# Altium PCB PCB-Tester-Relay-Board.PcbDoc (part 3 of 4) (continued)
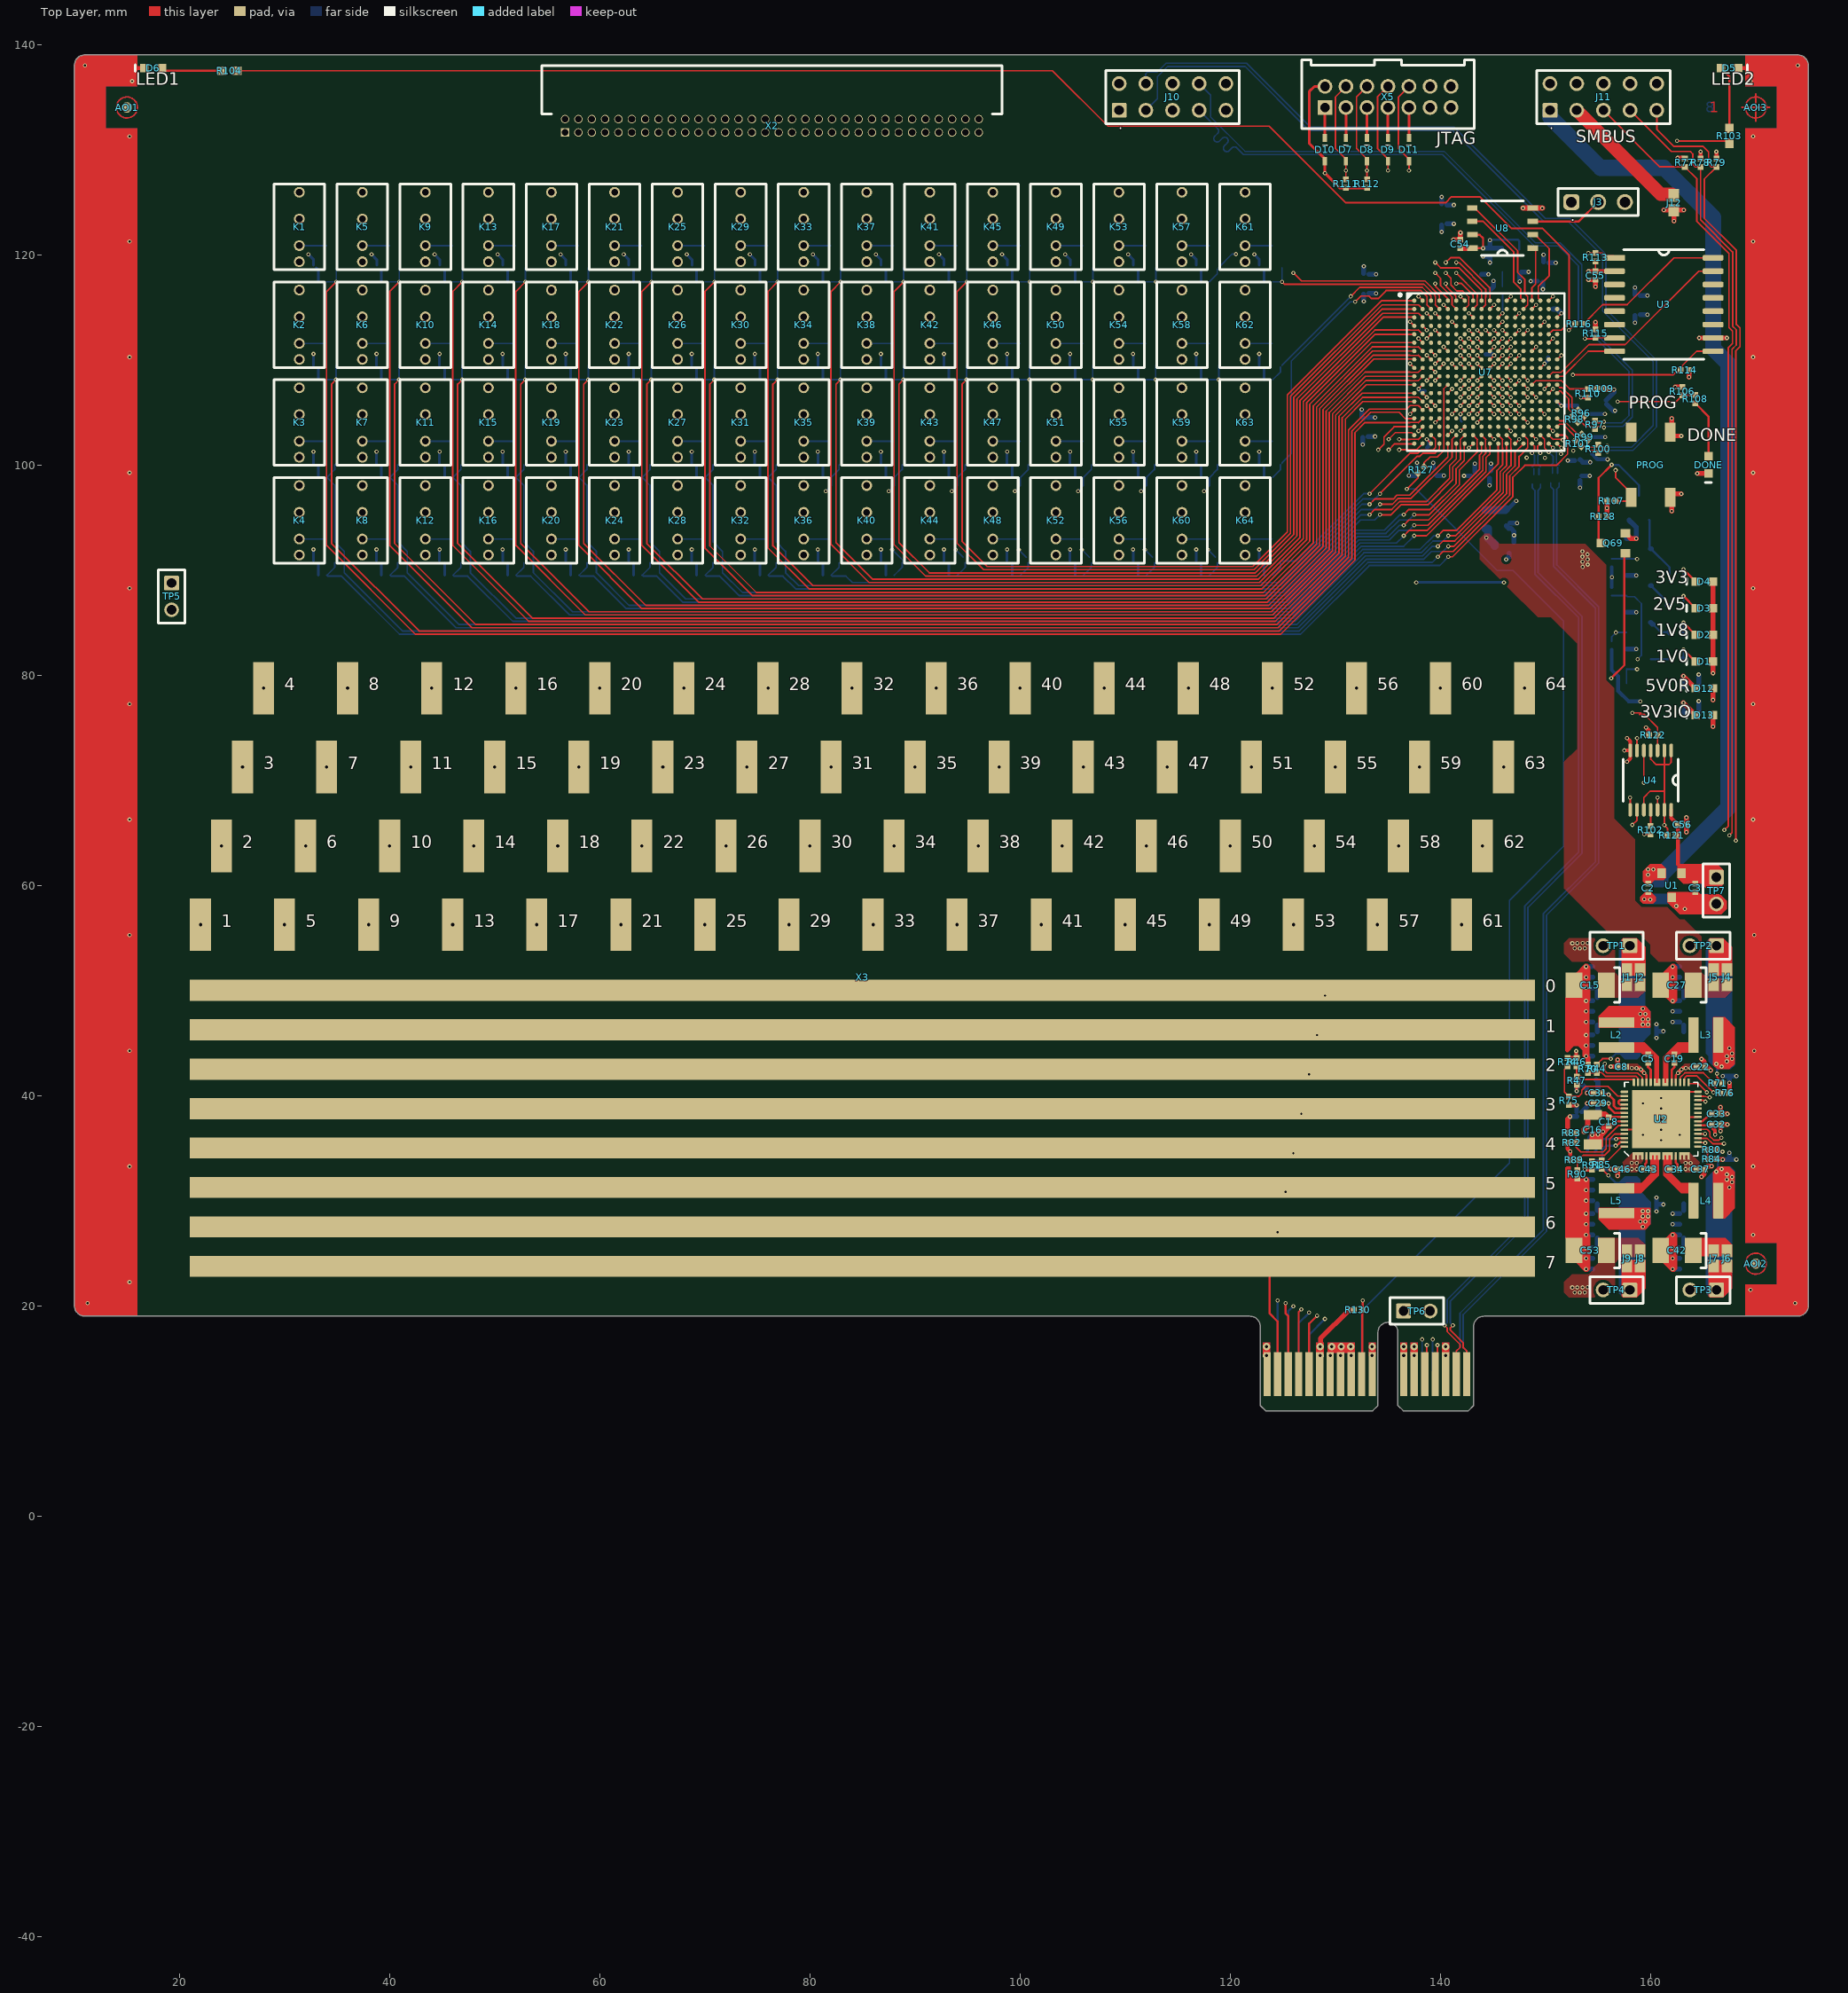
[diagram p0: Top Layer view]
## Nets (pads, with @x,y where several pads share a name; then routed paths per layer and width w, separated by ;. In a path a pad name is that pad's centre, name@x,y a point inside that pad or via, vN(x,y) a via of type N, cw(c..) or ccw(c..) an arc to the next point about the centre after c; other vN are vias at no path point) (continued)
  Bottom Layer w0.381: v1@137.907,107.225 138.122,107.01 C461.2@138.517,107.01 ; 138.701,101.63 138.917,101.846 C460.2@138.917,102.241 ; v1(149.9,109.621) 150.215,109.936 C448.2@150.215,110.236 ; C442.2@151,106.121 v1(151.5,105.621) 153.026,105.621 ; 154.12,104.828 v1(155.646,104.828) ; 154.159,102.65 v1(155.685,102.65) ; 154.394,101.056 154.929,100.521 v1(155.9,100.521)
  Bottom Layer w0.457: v2(128.55,16.1) 128.578,16.128 128.578,16.878 131.3,19.6 R129.1@131.8,19.6 ; v1(132.5,105.25) 132.5,104.602 C456.2@132.704,104.398 ; v1(132.7,115.557) C463.2@132.7,116.221 ; C456.2@133.104,104.498 v1(133.768,104.498) ; C463.2@133.2,116.321 v1(133.863,116.321) ; v1(136.99,98.973) C310.2@137.654,98.973 ; C310.2@137.764,99.582 v1(137.764,100.186) ; C451.2@140.1,124.821 v1(140.1,125.484) ; C451.2@140.6,124.721 v1(141.263,124.721) ; v1(142.24,98.948) C436.2@142.904,98.948 ; C436.2@143.262,99.308 v1(143.262,100.107) ; C453.2@143.9,118.121 v1(144.563,118.121) ; v1(144.053,119.804) C17.2@144.717,119.804 v1(144.717,119.24) ; C452.2@144.8,116.721 145.05,116.971 v1(145.05,117.483) ; v1(146.25,91) 146.505,91.255 C9.2@146.505,91.612 ; C10.2@146.25,94.2 146.496,93.954 146.696,93.954 146.997,93.653 v1(146.997,93.294) C9.2@146.997,92.63 ; C10.2@146.622,94.448 v1(147.286,94.448) ; v1(147.542,117.44) Y1.2@147.542,118.104 ; Y1.2@147.712,118.354 v1(148.375,118.354) ; C316.2@149.8,119.321 v1(149.8,119.984) ; C316.2@150.3,119.221 v1(150.963,119.221) ; v1(152.323,37.989) C28.2@152.973,37.989 ; v1(152.323,41.511) C30.2@152.973,41.511 ; C28.2@152.954,38.431 v1(152.954,39.081) ; v1(152.954,40.419) C30.2@152.954,41.069 ; C30.2@153.2,41.5 153.2,41.3 153.446,41.054 153.45,41.054 153.95,40.554 v1(153.95,40.25) ; v1(153.277,97.84) C318.2@153.277,98.504 ; C318.2@153.424,98.95 v1(154.208,98.95) ; C28.2@153.45,38.446 153.95,38.946 v1(153.95,39.25) ; v1(153.85,23.5) C52.2@154.5,23.5 ; v1(153.85,24.5) C52.2@154.5,24.5 ; v1(153.85,25.5) C52.2@154.5,25.5 ; v1(153.85,26.75) C51.2@154.5,26.75 ; v1(153.85,27.75) C51.2@154.5,27.75 ; v1(153.85,28.75) C51.2@154.5,28.75 ; v1(153.85,30) C50.2@154.5,30 ; v1(153.85,31) C50.2@154.5,31 ; v1(153.85,32) C50.2@154.5,32 ; v1(153.85,43.75) C14.2@154.5,43.75 ; v1(153.85,44.75) C14.2@154.5,44.75 ; v1(153.85,45.75) C14.2@154.5,45.75 ; v1(153.85,47) C13.2@154.5,47 ; v1(153.85,48) C13.2@154.5,48 ; v1(153.85,49) C13.2@154.5,49 ; v1(153.85,50.25) C12.2@154.5,50.25 ; v1(153.85,51.25) C12.2@154.5,51.25 ; v1(153.85,52.25) C12.2@154.5,52.25 ; C47.2@154.141,35.581 154.187,35.628 154.187,35.983 v1(154.437,36.234) ; 154.9,25.8 C51.2@154.9,26.45 ; 154.9,29.05 C50.2@154.9,29.7 ; 154.9,46.05 C13.2@154.9,46.7 ; 154.9,49.3 C12.2@154.9,49.95 ; C48.2@155.289,33.024 156.176,33.024 v1(156.2,33) ; v1(158.511,113.532) C444.2@158.511,114.196 ; C444.2@159.011,114.296 v1(159.674,114.296) ; v1(160.55,28.983) C49.2@160.55,29.633 ; v1(160.55,30.283) C49.2@160.55,29.633 ; v1(160.55,45.469) C11.2@160.55,46.119 ; v1(160.55,46.769) C11.2@160.55,46.119 ; v1(161.2,29.633) C49.2@160.55,29.633 ; v1(161.2,46.119) C11.2@160.55,46.119 ; v1(162.1,23.5) C39.2@162.75,23.5 ; v1(162.1,24.5) C39.2@162.75,24.5 ; v1(162.1,25.5) C39.2@162.75,25.5 ; v1(162.1,26.75) C40.2@162.75,26.75 ; v1(162.1,27.75) C40.2@162.75,27.75 ; v1(162.1,28.75) C40.2@162.75,28.75 ; v1(162.1,47) C25.2@162.75,47 ; v1(162.1,48) C25.2@162.75,48 ; v1(162.1,49) C25.2@162.75,49 ; v1(162.1,50.25) C26.2@162.75,50.25 ; v1(162.1,51.25) C26.2@162.75,51.25 ; v1(162.1,52.25) C26.2@162.75,52.25 ; 163.15,25.8 C40.2@163.15,26.45 ; 163.15,29.05 C41.2@163.15,29.7 ; 163.15,46.05 C25.2@163.15,46.7 ; 163.15,49.3 C26.2@163.15,49.95 ; R126.1@164.568,76.407 v1(164.568,77.512) ; R125.1@164.568,78.942 v1(164.568,80.047) ; v1(166.85,33.9) C38.2@167.5,33.9 ; v1(166.85,41.85) C23.2@167.5,41.85 ; v1(167.5,34.55) C38.2@167.5,33.9 ; v1(167.5,41.2) C23.2@167.5,41.85 ; v1(168.15,33.9) C38.2@167.5,33.9 ; v1(168.15,41.85) C23.2@167.5,41.85
  Bottom Layer w0.47: Q65.2@157.724,82.474 v1(158.63,82.474) ; Q66.2@157.724,85.974 v1(158.63,85.974) ; Q67.2@157.724,89.474 v1(158.63,89.474) ; Q68.2@157.724,92.974 v1(158.63,92.974) 158.63,94.07 158.165,94.535 158.115,94.535 157.95,94.7 Q70.2@157.95,94.75
  Bottom Layer w0.508: C449.2@150.721,114.8 151.121,114.8 v1(151.5,114.421)
  Bottom Layer w1.016: C4.2@164.25,58.7 165.676,58.7 166.146,58.23 TP7.2@166.25,58.23
  other v1: 11.25,20.25 173.75,20.25 169.5,21.5 15.25,22.25 169.75,26.75 15.25,33.25 169.75,33.25 161,35.75 159.25,36.25 162.75,36.25 154.985,36.265 155.451,36.573 161,36.75 161,38.75 159.25,39.25 161,39.75 15.25,44.25 169.85,44.25 15.25,55.25 169.85,55.25 163.25,57.75 162.439,58.028 159.958,58.644 159.397,58.672 15.25,66.25 169.75,66.25 15.25,77.25 169.75,77.25 15.25,88.25 169.75,88.25 15.25,99.25 169.75,99.25 149.939,100.655 148.194,100.678 151.469,101.04 152.631,101.331 15.25,110.25 169.75,110.25 15.25,121.25 169.75,121.25 15.25,131.25 169.75,131.25 15.5,136.5 169.5,136.5 11,138 174,138
  other v2: 123.45,15.248 128.55,15.248 137.5,15.248 140.5,15.248 123.45,16.1 137.5,16.1 140.5,16.1
HS1_4_N: J10.8 R97.1 R98.2 | length 67
  Top Layer w0.14: R98.2@153.065,104.037 153.445,104.037 153.82,103.662 154.454,103.662 R97.1@154.695,103.421 154.936,103.662 155.352,103.662
  Bottom Layer w0.14: J10.8@117.04,136.27 118.134,135.176 118.134,133.085 121.392,129.827 123.5,129.827 140.335,129.827 149.031,121.131 151.369,121.131 153.438,119.062 153.438,113.829 158.25,109.017 158.25,104.551 157.361,103.662 155.728,103.662 155.611,103.545 v1(155.54,103.545)
HS1_4_P: J10.7 R96.2 R97.2 | length 66.5
  Top Layer w0.14: R96.2@153.678,104.638 153.678,104.253 153.951,103.98 154.454,103.98 R97.2@154.695,104.221 154.936,103.98 155.352,103.98
  Bottom Layer w0.14: J10.7@117.04,133.73 117.362,133.408 118.785,131.985 cw(c118.556,131.756) 118.785,131.527 118.525,131.267 ccw(c118.754,131.038) 118.525,130.809 ccw(c118.754,131.038) 118.983,130.809 119.243,131.069 cw(c119.472,130.84) 119.701,131.069 cw(c119.472,130.84) 119.701,130.611 119.441,130.351 ccw(c119.67,130.122) 119.441,129.893 ccw(c119.67,130.122) 119.899,129.893 120.159,130.153 cw(c120.388,129.924) 120.617,130.153 121.135,129.635 121.26,129.51 123.5,129.51 140.203,129.51 148.899,120.814 151.237,120.814 153.12,118.931 153.12,113.698 157.933,108.885 157.933,104.683 157.23,103.98 155.728,103.98 155.611,104.097 v1(155.54,104.097)
HS2_4_N: J10.4 R100.1 R101.2 | length 79.4
  Top Layer w0.14: R101.2@153.382,101.738 153.763,101.738 154.138,101.363 154.772,101.363 R100.1@155.013,101.122 155.254,101.363 155.67,101.363
  Bottom Layer w0.14: J10.4@111.96,136.27 111.946,136.284 111.946,137.196 112.14,137.39 113.072,137.39 113.892,138.21 121.54,138.21 127.624,132.126 141.287,132.126 149.983,123.43 152.321,123.43 155.737,120.015 155.737,114.782 160.549,109.969 160.549,103.599 158.313,101.363 156.046,101.363 155.929,101.246 v1(155.858,101.246)
HS2_4_P: J10.3 R99.2 R100.2 | length 79.7
  Top Layer w0.14: R99.2@153.996,102.339 153.996,101.954 154.269,101.681 154.772,101.681 R100.2@155.013,101.922 155.254,101.681 155.67,101.681
  Bottom Layer w0.14: J10.3@111.96,133.73 113.059,134.829 113.059,136.927 114.024,137.893 121.408,137.893 127.492,131.809 141.156,131.809 149.852,123.113 152.189,123.113 155.419,119.883 155.419,114.65 160.232,109.838 160.232,103.73 158.182,101.681 156.046,101.681 155.929,101.798 v1(155.858,101.798)
LED1_4: R104.2 U7.E17 | length 143.3
  Top Layer w0.127: 150.7,112.821 151.5,112.821
  Top Layer w0.152: R104.2@25.45,137.5 103.078,137.5 108.357,132.221 123.688,132.221 130.981,124.928 140.472,124.928 141.044,125.5 143.735,125.5 146.735,122.499 149.674,122.499 152.25,119.924 152.25,113.571 151.5,112.821 ; U7.E17@150.3,112.421 150.7,112.821
LED2_4: R103.2 U7.U17 | length 48
  Top Layer w0.127: 150.7,102.421 151.389,102.421
  Top Layer w0.152: U7.U17@150.3,102.821 150.7,102.421 ; 151.4,102.409 151.606,102.409 v1(151.653,102.362) ; v1(162.51,130.815) 167.285,130.815 R103.2@167.5,130.6
  Inner2 w0.152: v1(151.653,102.362) 152.37,102.362 153.482,101.249 153.482,100.346 154.878,98.95 156.886,98.95 158.001,100.065 158.001,123.527 158.75,124.276 158.75,127.055 v1(162.51,130.815)
MISO_1: R102.1 X4.A15 | length 60.4
  Top Layer w0.152: v1(159.392,64.85) R102.1@160,64.85
  Inner2 w0.152: v1(139.253,16.796) 139.253,17.92 142.061,20.728 142.061,47.519 156.146,61.604 v1(159.392,64.85)
  Bottom Layer w0.152: v1(139.253,16.796) 139.253,13.747 X4.A15@139.5,13.5
MOSI_1: U4.9 X4.A14 | length 63.6
  Top Layer w0.152: v1(158.25,65.75) 158.7,66.2 U4.9@158.7,67.175
  Inner2 w0.152: v1(138.253,16.796) 137.946,17.103 137.946,19.959 138.502,20.515 140.313,20.515 141.413,21.616 141.413,47.788 155.688,62.062 158.25,64.625 v1(158.25,65.75)
  Bottom Layer w0.152: v1(138.253,16.796) 138.253,13.747 X4.A14@138.5,13.5
NetC5_1: C5.1 U2.38 | length 1.7
  Top Layer w0.22: C5.1@159.75,42.85 159.75,42.7 160,42.45 U2.38@160,41.25
NetC5_2: C5.2 L2.1 U2.36
NetC11_1: C11.1 C12.1 C13.1 C14.1 J1.1 J2.1 L2.2 R44.2 TP1.1 | length 3.4
  Top Layer w0.152: R44.2@155.041,43.133 155.408,43.5 v1(156.204,43.5)
  Top Layer w0.203: R44.2@154.81,42.902 154.81,42.908 155.035,43.133 R44.2@155.041,43.133
  Bottom Layer w0.203: v1(156.204,43.5) 156.704,44 C14.1@157.754,44
  other v1: 159.25,46.75 159.75,46.75 159.25,47.25 159.75,47.25 159,47.75 159.5,47.75 159.25,48.25
NetC19_1: C19.1 U2.33 | length 1.7
  Top Layer w0.22: U2.33@162,41.25 162,42.425 162.25,42.675 C19.1@162.25,42.85
NetC19_2: C19.2 L3.1 U2.34
NetC23_1: C23.1 C24.1 C25.1 C26.1 J4.1 J5.1 L3.2 R71.2 TP2.1 | length 1.8
  Top Layer w0.152: v1(166.307,42.077) 166.307,41.776 R71.2@166.851,41.231
  Bottom Layer w0.203: v1(166.307,42.077) 166.307,42.557 166.5,42.75
  other v1: 166.75,42.75 166.25,43 167.25,43.25 167.75,43.5 167.25,43.75 167.75,44 167.5,44.5
NetC30_1: C30.1 C31.1 R72.1 U2.47 | length 5.4
  Top Layer w0.22: C31.1@155.4,40.25 155.564,40.086 v1(155.997,40.086) 156.5,39.582 156.5,39 156.75,38.75 U2.47@157.5,38.75
  Bottom Layer w0.406: R72.1@155.25,40.15 155.314,40.086 v1(155.997,40.086)
  Bottom Layer w0.508: C30.1@154.8,41.5 154.98,41.32 154.98,40.42 R72.1@155.25,40.15
NetC33_1: C33.1 U2.21 | length 1.6
  Top Layer w0.22: U2.21@164.5,37.55 164.932,37.55 165.467,38.085 165.685,38.085 C33.1@165.85,38.25
NetC34_1: C34.1 U2.11 | length 1.4
  Top Layer w0.22: U2.11@162.4,34.25 162.4,33.6 162.537,33.463 162.537,33.113 C34.1@162.65,33
NetC34_2: C34.2 L4.1 U2.8
NetC38_1: C38.1 C39.1 C40.1 C41.1 J6.1 J7.1 L4.2 R80.2 TP3.1 | length 3
  Top Layer w0.152: R80.2@166.184,34.755 R80.2@166.284,34.655 ; R80.2@166.185,34.849 166.379,34.655 v1(166.834,34.655)
  Bottom Layer w0.152: 166.378,33.108 166.467,33.018 166.732,33.018 v1(166.75,33) ; 166.378,33.628 166.378,34.199 v1(166.834,34.655)
  Bottom Layer w0.203: 166.378,33.108 166.378,33.628
  other v1: 167.5,31.25 167.75,31.75 167.25,32 167.75,32.25 167.25,32.5 166.25,32.75
NetC43_1: C43.1 U2.4 | length 1.4
  Top Layer w0.22: C43.1@159.35,33 159.463,33.113 159.463,33.463 159.6,33.6 U2.4@159.6,34.25
NetC43_2: C43.2 L5.1 U2.5
NetC47_1: C47.1 R86.2 U2.54 | length 3.7
  Top Layer w0.203: v1(156.707,35.842) 156.707,35.918 156.739,35.95 U2.54@157.5,35.95
  Bottom Layer w0.203: C47.1@154.941,35.581 155.201,35.842 v1(156.707,35.842)
  Bottom Layer w0.254: R86.2@154.705,34.667 154.824,34.785 154.824,35.433 154.858,35.467 C47.1@154.9,35.467
NetC48_1: C48.1 R87.2 U2.55 | length 4.3
  Top Layer w0.203: v1(156.667,35.231) 156.667,35.154 156.681,35.14 157.082,35.542 157.492,35.542 U2.55@157.5,35.55
  Bottom Layer w0.203: C48.1@155.384,33.899 155.384,34.833 155.782,35.231 v1(156.667,35.231)
  Bottom Layer w0.254: R87.2@154.485,33.773 154.51,33.798 C48.1@155.264,33.798
NetC49_1: C49.1 C50.1 C51.1 C52.1 J8.1 J9.1 L5.2 R85.2 TP4.1 | length 2.4
  Top Layer w0.152: R85.2@155.348,33.01 v1(155.963,32.395)
  Bottom Layer w0.203: v1(155.963,32.395) 156.658,31.7 157.174,31.7
  other v1: 159.25,27.5 159,28 159.5,28 159.25,28.5 159.75,28.5 159.25,29 159.75,29
NetD1_2: D1.2 R92.2 | length 2.6
  Top Layer w0.203: v1(163.12,82.435) D1.2@164.275,81.28
  Bottom Layer w0.203: R92.2@163.12,81.58 v1(163.12,82.435)
  Bottom Layer w0.47: R92.2@163.12,81.58 R92.2@163.2,81.5
NetD2_2: D2.2 R93.2 | length 2.6
  Top Layer w0.203: v1(163.12,84.975) D2.2@164.275,83.82
  Bottom Layer w0.203: R93.2@163.12,84.08 v1(163.12,84.975)
  Bottom Layer w0.47: R93.2@163.12,84.08 R93.2@163.2,84
NetD3_2: D3.2 R94.2 | length 2.5
  Top Layer w0.203: v1(163.12,87.515) D3.2@164.275,86.36
  Bottom Layer w0.203: R94.2@163.12,86.62 v1(163.12,87.515)
NetD4_2: D4.2 R95.2 | length 2.5
  Top Layer w0.203: v1(163.12,90.055) D4.2@164.275,88.9
  Bottom Layer w0.203: R95.2@163.12,89.16 v1(163.12,90.055)
NetD5_1: D5.1 R103.1 | length 6.1
  Top Layer w0.203: D5.1@166.675,137.75 167.5,136.925 R103.1@167.5,132
NetD6_1: D6.1 R104.1 | length 5.7
  Top Layer w0.203: D6.1@18.325,137.5 R104.1@24.05,137.5
NetD12_2: D12.2 R125.2 | length 2.6
  Top Layer w0.47: v1(163.12,79.895) D12.2@164.275,78.74
  Bottom Layer w0.47: v1(163.12,79.895) 163.12,78.989 R125.2@163.168,78.942
NetD13_2: D13.2 R126.2 | length 2.6
  Top Layer w0.47: v1(163.12,77.355) D13.2@164.275,76.2
  Bottom Layer w0.47: v1(163.12,77.355) 163.12,76.455 R126.2@163.168,76.407
NetDONE_1: DONE.1 R108.2 | length 5.5
  Top Layer w0.203: R108.2@164.25,105.85 165.5,104.6 DONE.1@165.5,100.825
NetJ3_2: J3.2 U8.3 | length 7
  Top Layer w0.203: U8.3@148.77,123.156 153.156,123.156 J3.2@155,125
NetJ11_3: J11.3 J12.2 | length 12.4
  Top Layer w1.27: J11.3@152.96,133.73 160.947,125.743 J12.2@162.03,125.743
NetK1_2: K1.2 Q1.3 | length 2.6
  Bottom Layer w0.152: K1.2@31.402,120.85 Q1.3@33.966,120.85
NetK1_3: K1.3 X3.1 | length 71
  Inner2 w0.152: v2(22,56.25) 22,113.988 K1.3@31.402,123.39
NetK1_4: K1.4 X2.1 | length 29.1
  Inner4 w0.152: K1.4@31.402,125.93 38.191,132.719 53.781,132.719 55.496,131.004 56.08,131.004 X2.1@56.694,131.618
NetK2_2: K2.2 Q2.3 | length 2.6
  Bottom Layer w0.152: K2.2@31.402,111.548 Q2.3@33.966,111.548
NetK2_3: K2.3 X3.2 | length 53.4
  Inner2 w0.152: v2(24,63.75) 24,106.686 K2.3@31.402,114.088
NetK2_4: K2.4 X2.2 | length 40.6
  Inner5 w0.127: X2.2@56.694,132.888 57.329,132.253 57.329,130.995
  Inner5 w0.152: K2.4@31.402,116.628 32.938,118.164 32.938,126.891 38.359,132.313 53.612,132.313 55.328,130.597 56.932,130.597 57.329,130.995
NetK3_2: K3.2 Q3.3 | length 2.6
  Bottom Layer w0.152: K3.2@31.402,102.246 Q3.3@33.966,102.246
NetK3_3: K3.3 X3.3 | length 35.8
  Inner2 w0.152: v2(26,71.25) 26,99.384 K3.3@31.402,104.786
NetK3_4: K3.4 X2.3 | length 48.6
  Inner4 w0.152: K3.4@31.402,107.326 33.344,109.268 33.344,126.723 38.527,131.906 53.444,131.906 55.159,130.191 57.172,130.191 57.964,130.984 X2.3@57.964,131.618
NetK4_2: K4.2 Q4.3 | length 2.6
  Bottom Layer w0.152: K4.2@31.402,92.944 Q4.3@33.966,92.944
NetK4_3: K4.3 X3.4 | length 18.1
  Inner2 w0.152: v2(28,78.75) 28,92.082 K4.3@31.402,95.484
NetK4_4: K4.4 X2.4 | length 59.8
  Inner5 w0.127: X2.4@57.964,132.888 58.599,132.253 58.599,130.995
  Inner5 w0.152: K4.4@31.402,98.024 33.75,100.373 33.75,126.555 38.696,131.5 53.276,131.5 54.991,129.785 57.389,129.785 58.599,130.995
NetK5_2: K5.2 Q5.3 | length 2.6
  Bottom Layer w0.152: K5.2@37.402,120.85 Q5.3@39.966,120.85
NetK5_3: K5.3 X3.5 | length 70.2
  Inner2 w0.152: v2(30,56.25) 30,78.702 35.092,83.794 35.092,106.935 35.755,107.597 35.755,121.743 K5.3@37.402,123.39
NetK5_4: K5.4 X2.5 | length 28.6
  Inner2 w0.127: X2.5@59.234,131.618 59.869,132.253 59.869,133.51
  Inner2 w0.152: K5.4@37.402,125.93 45.934,134.462 58.918,134.462 59.869,133.51
NetK6_2: K6.2 Q6.3 | length 2.6
  Bottom Layer w0.152: K6.2@37.402,111.548 Q6.3@39.966,111.548
NetK6_3: K6.3 X3.6 | length 52.6
  Inner2 w0.152: v2(32,63.75) 32,80.127 35.499,83.626 35.499,106.767 36.161,107.429 36.161,112.848 K6.3@37.402,114.088
NetK6_4: K6.4 X2.6 | length 35
  Inner3 w0.152: K6.4@37.402,116.628 38.938,118.164 38.938,126.891 46.102,134.056 58.667,134.056 59.234,133.488 X2.6@59.234,132.888
NetK7_2: K7.2 Q7.3 | length 2.6
  Bottom Layer w0.152: K7.2@37.402,102.246 Q7.3@39.966,102.246
NetK7_3: K7.3 X3.7 | length 34.9
  Inner2 w0.152: v2(34,71.25) 34,81.552 35.905,83.458 35.905,103.29 K7.3@37.402,104.786
NetK7_4: K7.4 X2.7 | length 43.7
  Inner2 w0.152: K7.4@37.402,107.326 39.344,109.268 39.344,126.723 43.214,130.593 60.055,130.593 60.504,131.042 X2.7@60.504,131.618
NetK8_2: K8.2 Q8.3 | length 2.6
  Bottom Layer w0.152: K8.2@37.402,92.944 Q8.3@39.966,92.944
NetK8_3: K8.3 X3.8 | length 17.3
  Inner2 w0.152: v2(36,78.75) 36,82.978 36.312,83.289 36.312,94.394 K8.3@37.402,95.484
NetK8_4: K8.4 X2.8 | length 54.9
  Inner3 w0.127: X2.8@60.504,132.888 61.139,132.253 61.139,130.995
  Inner3 w0.152: K8.4@37.402,98.024 39.75,100.373 39.75,126.555 43.382,130.186 60.33,130.186 61.139,130.995
NetK9_2: K9.2 Q9.3 | length 2.6
  Bottom Layer w0.152: K9.2@43.402,120.85 Q9.3@45.966,120.85
NetK9_3: K9.3 X3.9 | length 69.4
  Inner2 w0.152: v2(38,56.25) 38,78.702 41.092,81.794 41.092,106.935 41.755,107.597 41.755,121.743 K9.3@43.402,123.39
NetK9_4: K9.4 X2.9 | length 21.1
  Inner2 w0.152: K9.4@43.402,125.93 47.065,129.594 60.326,129.594 61.774,131.042 X2.9@61.774,131.618
NetK10_2: K10.2 Q10.3 | length 2.6
  Bottom Layer w0.152: K10.2@43.402,111.548 Q10.3@45.966,111.548
NetK10_3: K10.3 X3.10 | length 51.7
  Inner2 w0.152: v2(40,63.75) 40,80.127 41.499,81.626 41.499,106.767 42.161,107.429 42.161,112.848 K10.3@43.402,114.088
NetK10_4: K10.4 X2.10 | length 32.2
  Inner3 w0.127: X2.10@61.774,132.888 62.409,132.253 62.409,130.995
  Inner3 w0.152: K10.4@43.402,116.628 44.938,118.164 44.938,126.891 47.233,129.187 60.601,129.187 62.409,130.995
NetK11_2: K11.2 Q11.3 | length 2.6
  Bottom Layer w0.152: K11.2@43.402,102.246 Q11.3@45.966,102.246
NetK11_3: K11.3 X3.11 | length 34.2
  Inner2 w0.152: v2(42,71.25) 42,80.088 41.905,80.183 41.905,103.29 K11.3@43.402,104.786
NetK11_4: K11.4 X2.11 | length 40.3
  Inner4 w0.152: K11.4@43.402,107.326 45.344,109.268 45.344,126.723 47.54,128.919 57.844,128.919 59.475,130.549 62.61,130.549 63.044,130.984 X2.11@63.044,131.618
NetK12_2: K12.2 Q12.3 | length 2.6
  Bottom Layer w0.152: K12.2@43.402,92.944 Q12.3@45.966,92.944
NetK12_3: K12.3 X3.12 | length 17.9
  Inner2 w0.152: K12.3@43.402,95.484 42.312,94.394 42.312,80.438 v2(44,78.75)
NetK12_4: K12.4 X2.12 | length 53.6
  Inner5 w0.127: 63.679,132.253 63.679,130.995 63.679,132.253 ; 63.679,132.253 X2.12@63.044,132.888 63.679,132.253
  Inner5 w0.152: K12.4@43.402,98.024 45.75,100.373 45.75,126.555 47.708,128.512 58.012,128.512 59.643,130.143 62.827,130.143 63.679,130.995
NetK13_2: K13.2 Q13.3 | length 2.6
  Bottom Layer w0.152: K13.2@49.402,120.85 Q13.3@51.966,120.85
NetK13_3: K13.3 X3.13 | length 68.5
  Inner2 w0.152: v2(46,56.25) 46,78.702 47.092,79.794 47.092,106.935 47.755,107.597 47.755,121.743 K13.3@49.402,123.39
NetK13_4: K13.4 X2.13 | length 17.6
  Inner4 w0.152: K13.4@49.402,125.93 52.342,125.93 54.501,128.09 58.181,128.09 59.818,129.727 63.057,129.727 64.314,130.984 X2.13@64.314,131.618
NetK14_2: K14.2 Q14.3 | length 2.6
  Bottom Layer w0.152: K14.2@49.402,111.548 Q14.3@51.966,111.548
NetK14_3: K14.3 X3.14 | length 51.3
  Inner2 w0.152: v2(48,63.75) 48,80.949 47.499,81.45 47.499,106.767 48.161,107.429 48.161,112.848 K14.3@49.402,114.088
NetK14_4: K14.4 X2.14 | length 27.9
  Inner5 w0.127: 64.949,130.995 64.949,132.253 ; 64.949,132.253 X2.14@64.314,132.888 64.949,132.253
  Inner5 w0.152: K14.4@49.402,116.628 50.938,118.164 50.938,123.951 54.67,127.683 58.35,127.683 59.987,129.32 63.274,129.32 64.949,130.995
NetK15_2: K15.2 Q15.3 | length 2.6
  Bottom Layer w0.152: K15.2@49.402,102.246 Q15.3@51.966,102.246
NetK15_3: K15.3 X3.15 | length 35
  Inner2 w0.152: K15.3@49.402,104.786 47.905,103.29 47.905,81.878 50,79.783 v2(50,71.25)
NetK15_4: K15.4 X2.15 | length 35.1
  Inner4 w0.152: K15.4@49.402,107.326 51.344,109.268 51.344,123.783 54.838,127.277 58.518,127.277 60.155,128.914 63.514,128.914 65.584,130.984 X2.15@65.584,131.618
NetK16_2: K16.2 Q16.3 | length 2.6
  Bottom Layer w0.152: K16.2@49.402,92.944 Q16.3@51.966,92.944
NetK16_3: K16.3 X3.16 | length 18.7
  Inner2 w0.152: K16.3@49.402,95.484 48.312,94.394 48.312,82.438 v2(52,78.75)
NetK16_4: K16.4 X2.16 | length 48.4
  Inner5 w0.127: 66.219,132.253 66.219,130.995 66.219,132.253 ; 66.219,132.253 X2.16@65.584,132.888 66.219,132.253
  Inner5 w0.152: K16.4@49.402,98.024 51.75,100.373 51.75,123.614 55.006,126.87 58.686,126.87 60.323,128.507 63.732,128.507 66.219,130.995
NetK17_2: K17.2 Q17.3 | length 2.6
  Bottom Layer w0.152: K17.2@55.402,120.85 Q17.3@57.966,120.85
NetK17_3: K17.3 X3.17 | length 68.5
  Inner2 w0.152: v2(54,56.25) 54,82.633 53.092,83.541 53.092,106.935 53.755,107.597 53.755,121.743 K17.3@55.402,123.39
NetK17_4: K17.4 X2.17 | length 14.3
  Inner4 w0.152: K17.4@55.402,125.93 58.342,125.93 60.49,128.078 64.125,128.078 66.854,130.807 X2.17@66.854,131.618
NetK18_2: K18.2 Q18.3 | length 2.6
  Bottom Layer w0.152: K18.2@55.402,111.548 Q18.3@57.966,111.548
NetK18_3: K18.3 X3.18 | length 52.2
  Inner2 w0.152: K18.3@55.402,114.088 54.161,112.848 54.161,107.429 53.499,106.767 53.499,83.845 56,81.344 v2(56,63.75)
NetK18_4: K18.4 X2.18 | length 23.7
  Inner5 w0.127: X2.18@66.854,132.888 67.489,132.253 67.489,130.995
  Inner5 w0.152: K18.4@55.402,116.628 56.938,118.164 56.938,123.951 60.658,127.672 64.294,127.672 67.489,130.868 67.489,130.995
NetK19_2: K19.2 Q19.3 | length 2.6
  Bottom Layer w0.152: K19.2@55.402,102.246 Q19.3@57.966,102.246
NetK19_3: K19.3 X3.19 | length 35.9
  Inner2 w0.152: K19.3@55.402,104.786 53.905,103.29 53.905,84.159 58,80.064 v2(58,71.25)
NetK19_4: K19.4 X2.19 | length 31.7
  Inner4 w0.152: K19.4@55.402,107.326 57.344,109.268 57.344,123.783 60.827,127.265 64.462,127.265 68.124,130.928 X2.19@68.124,131.618
NetK20_2: K20.2 Q20.3 | length 2.6
  Bottom Layer w0.152: K20.2@55.402,92.944 Q20.3@57.966,92.944
NetK20_3: K20.3 X3.20 | length 19.5
  Inner2 w0.152: K20.3@55.402,95.484 54.312,94.394 54.312,84.438 v2(60,78.75)
NetK20_4: K20.4 X2.20 | length 42.8
  Inner5 w0.127: X2.20@68.124,132.888 68.759,132.253 68.759,130.995
  Inner5 w0.152: K20.4@55.402,98.024 57.75,100.373 57.75,123.614 60.995,126.859 64.63,126.859 68.759,130.988 68.759,130.995
NetK21_2: K21.2 Q21.3 | length 2.6
  Bottom Layer w0.152: K21.2@61.402,120.85 Q21.3@63.966,120.85
NetK21_3: K21.3 X3.21 | length 69.3
  Inner2 w0.152: K21.3@61.402,123.39 59.755,121.743 59.755,107.597 59.092,106.935 59.092,85.624 62,82.717 v2(62,56.25)
NetK21_4: K21.4 X2.21 | length 11.2
  Inner4 w0.152: K21.4@61.402,125.93 64.304,125.93 66.486,128.111 67.256,128.111 69.394,130.25 X2.21@69.394,131.618
NetK22_2: K22.2 Q22.3 | length 2.6
  Bottom Layer w0.152: K22.2@61.402,111.548 Q22.3@63.966,111.548
NetK22_3: K22.3 X3.22 | length 53
  Inner2 w0.152: K22.3@61.402,114.088 60.161,112.848 60.161,107.429 59.499,106.767 59.499,85.885 64,81.384 v2(64,63.75)
NetK22_4: K22.4 X2.22 | length 20.5
  Inner5 w0.127: X2.22@69.394,132.888 70.029,132.253 70.029,130.995
  Inner5 w0.152: K22.4@61.402,116.628 62.938,118.164 62.938,123.989 66.654,127.705 67.424,127.705 70.029,130.31 70.029,130.995
NetK23_2: K23.2 Q23.3 | length 2.6
  Bottom Layer w0.152: K23.2@61.402,102.246 Q23.3@63.966,102.246
NetK23_3: K23.3 X3.23 | length 36.7
  Inner2 w0.152: K23.3@61.402,104.786 59.905,103.29 59.905,86.15 66,80.055 v2(66,71.25)
NetK23_4: K23.4 X2.23 | length 28.6
  Inner4 w0.152: K23.4@61.402,107.326 63.344,109.268 63.344,123.82 66.822,127.299 67.593,127.299 70.664,130.37 X2.23@70.664,131.618
NetK24_2: K24.2 Q24.3 | length 2.6
  Bottom Layer w0.152: K24.2@61.402,92.944 Q24.3@63.966,92.944
NetK24_3: K24.3 X3.24 | length 20.4
  Inner2 w0.152: K24.3@61.402,95.484 60.312,94.394 60.312,86.438 v2(68,78.75)
NetK24_4: K24.4 X2.24 | length 39.7
  Inner5 w0.127: X2.24@70.664,132.888 71.299,132.253 71.299,130.995
  Inner5 w0.152: K24.4@61.402,98.024 63.75,100.373 63.75,123.652 66.991,126.892 67.761,126.892 71.299,130.431 71.299,130.995
NetK25_2: K25.2 Q25.3 | length 2.6
  Bottom Layer w0.152: K25.2@67.402,120.85 Q25.3@69.966,120.85
NetK25_3: K25.3 X3.25 | length 70.1
  Inner2 w0.152: K25.3@67.402,123.39 65.755,121.743 65.755,107.597 65.092,106.935 65.092,87.933 70,83.026 v2(70,56.25)
NetK25_4: K25.4 X2.25 | length 7.6
  Inner4 w0.152: K25.4@67.402,125.93 71.934,130.463 X2.25@71.934,131.618
NetK26_2: K26.2 Q26.3 | length 2.6
  Bottom Layer w0.152: K26.2@67.402,111.548 Q26.3@69.966,111.548
NetK26_3: K26.3 X3.26 | length 53.8
  Inner2 w0.152: K26.3@67.402,114.088 66.161,112.848 66.161,107.429 65.499,106.767 65.499,88.102 72,81.601 v2(72,63.75)
NetK26_4: K26.4 X2.26 | length 18.7
  Inner5 w0.127: X2.26@71.934,132.888 72.569,132.253 72.569,130.474
  Inner5 w0.152: K26.4@67.402,116.628 68.938,118.164 68.938,126.842 72.569,130.474
NetK27_2: K27.2 Q27.3 | length 2.6
  Bottom Layer w0.152: K27.2@67.402,102.246 Q27.3@69.966,102.246
NetK27_3: K27.3 X3.27 | length 37.5
  Inner2 w0.152: K27.3@67.402,104.786 65.905,103.29 65.905,88.27 74,80.175 v2(74,71.25)
NetK27_4: K27.4 X2.27 | length 26.7
  Inner4 w0.152: K27.4@67.402,107.326 69.344,109.268 69.344,126.602 73.204,130.463 X2.27@73.204,131.618
NetK28_2: K28.2 Q28.3 | length 2.6
  Bottom Layer w0.152: K28.2@67.402,92.944 Q28.3@69.966,92.944
NetK28_3: K28.3 X3.28 | length 21.2
  Inner2 w0.152: K28.3@67.402,95.484 66.312,94.394 66.312,88.438 v2(76,78.75)
NetK28_4: K28.4 X2.28 | length 37.8
  Inner5 w0.127: X2.28@73.204,132.888 73.839,132.253 73.839,130.474
  Inner5 w0.152: K28.4@67.402,98.024 69.75,100.373 69.75,126.385 73.839,130.474
NetK29_2: K29.2 Q29.3 | length 2.6
  Bottom Layer w0.152: K29.2@73.402,120.85 Q29.3@75.966,120.85
NetK29_3: K29.3 X3.29 | length 71
  Inner2 w0.152: K29.3@73.402,123.39 71.755,121.743 71.755,107.597 71.092,106.935 71.092,89.933 78,83.026 v2(78,56.25)
NetK29_4: K29.4 X2.29 | length 6.1
  Inner4 w0.152: K29.4@73.402,125.93 74.474,127.003 X2.29@74.474,131.618
NetK30_2: K30.2 Q30.3 | length 2.6
  Bottom Layer w0.152: K30.2@73.402,111.548 Q30.3@75.966,111.548
NetK30_3: K30.3 X3.30 | length 54.6
  Inner2 w0.152: K30.3@73.402,114.088 72.161,112.848 72.161,107.429 71.499,106.767 71.499,90.102 80,81.601 v2(80,63.75)
NetK30_4: K30.4 X2.30 | length 17.2
  Inner5 w0.127: X2.30@74.474,132.888 75.109,132.253 75.109,130.995
  Inner5 w0.152: K30.4@73.402,116.628 74.938,118.164 74.938,130.823 75.109,130.995
NetK31_2: K31.2 Q31.3 | length 2.6
  Bottom Layer w0.152: K31.2@73.402,102.246 Q31.3@75.966,102.246
NetK31_3: K31.3 X3.31 | length 38.3
  Inner2 w0.152: K31.3@73.402,104.786 71.905,103.29 71.905,90.27 82,80.175 v2(82,71.25)
NetK31_4: K31.4 X2.31 | length 25.3
  Inner4 w0.152: K31.4@73.402,107.326 75.344,109.268 75.344,130.583 75.744,130.984 X2.31@75.744,131.618
NetK32_2: K32.2 Q32.3 | length 2.6
  Bottom Layer w0.152: K32.2@73.402,92.944 Q32.3@75.966,92.944
NetK32_3: K32.3 X3.32 | length 22
  Inner2 w0.152: K32.3@73.402,95.484 72.312,94.394 72.312,90.438 v2(84,78.75)